# Altium PCB RFAutoMaTE ASCII.PcbDoc (part 2 of 2)
Units mm, origin at the board's own origin, x right, y up, seen from the top; angles counter-clockwise.
Board outline 96.9 x 242.82 mm, 2 copper layers (Top Layer, Bottom Layer); 213 components, 21 nets, 545 pads, 10 vias.
Unrouted connection lines stored in the file: 16.
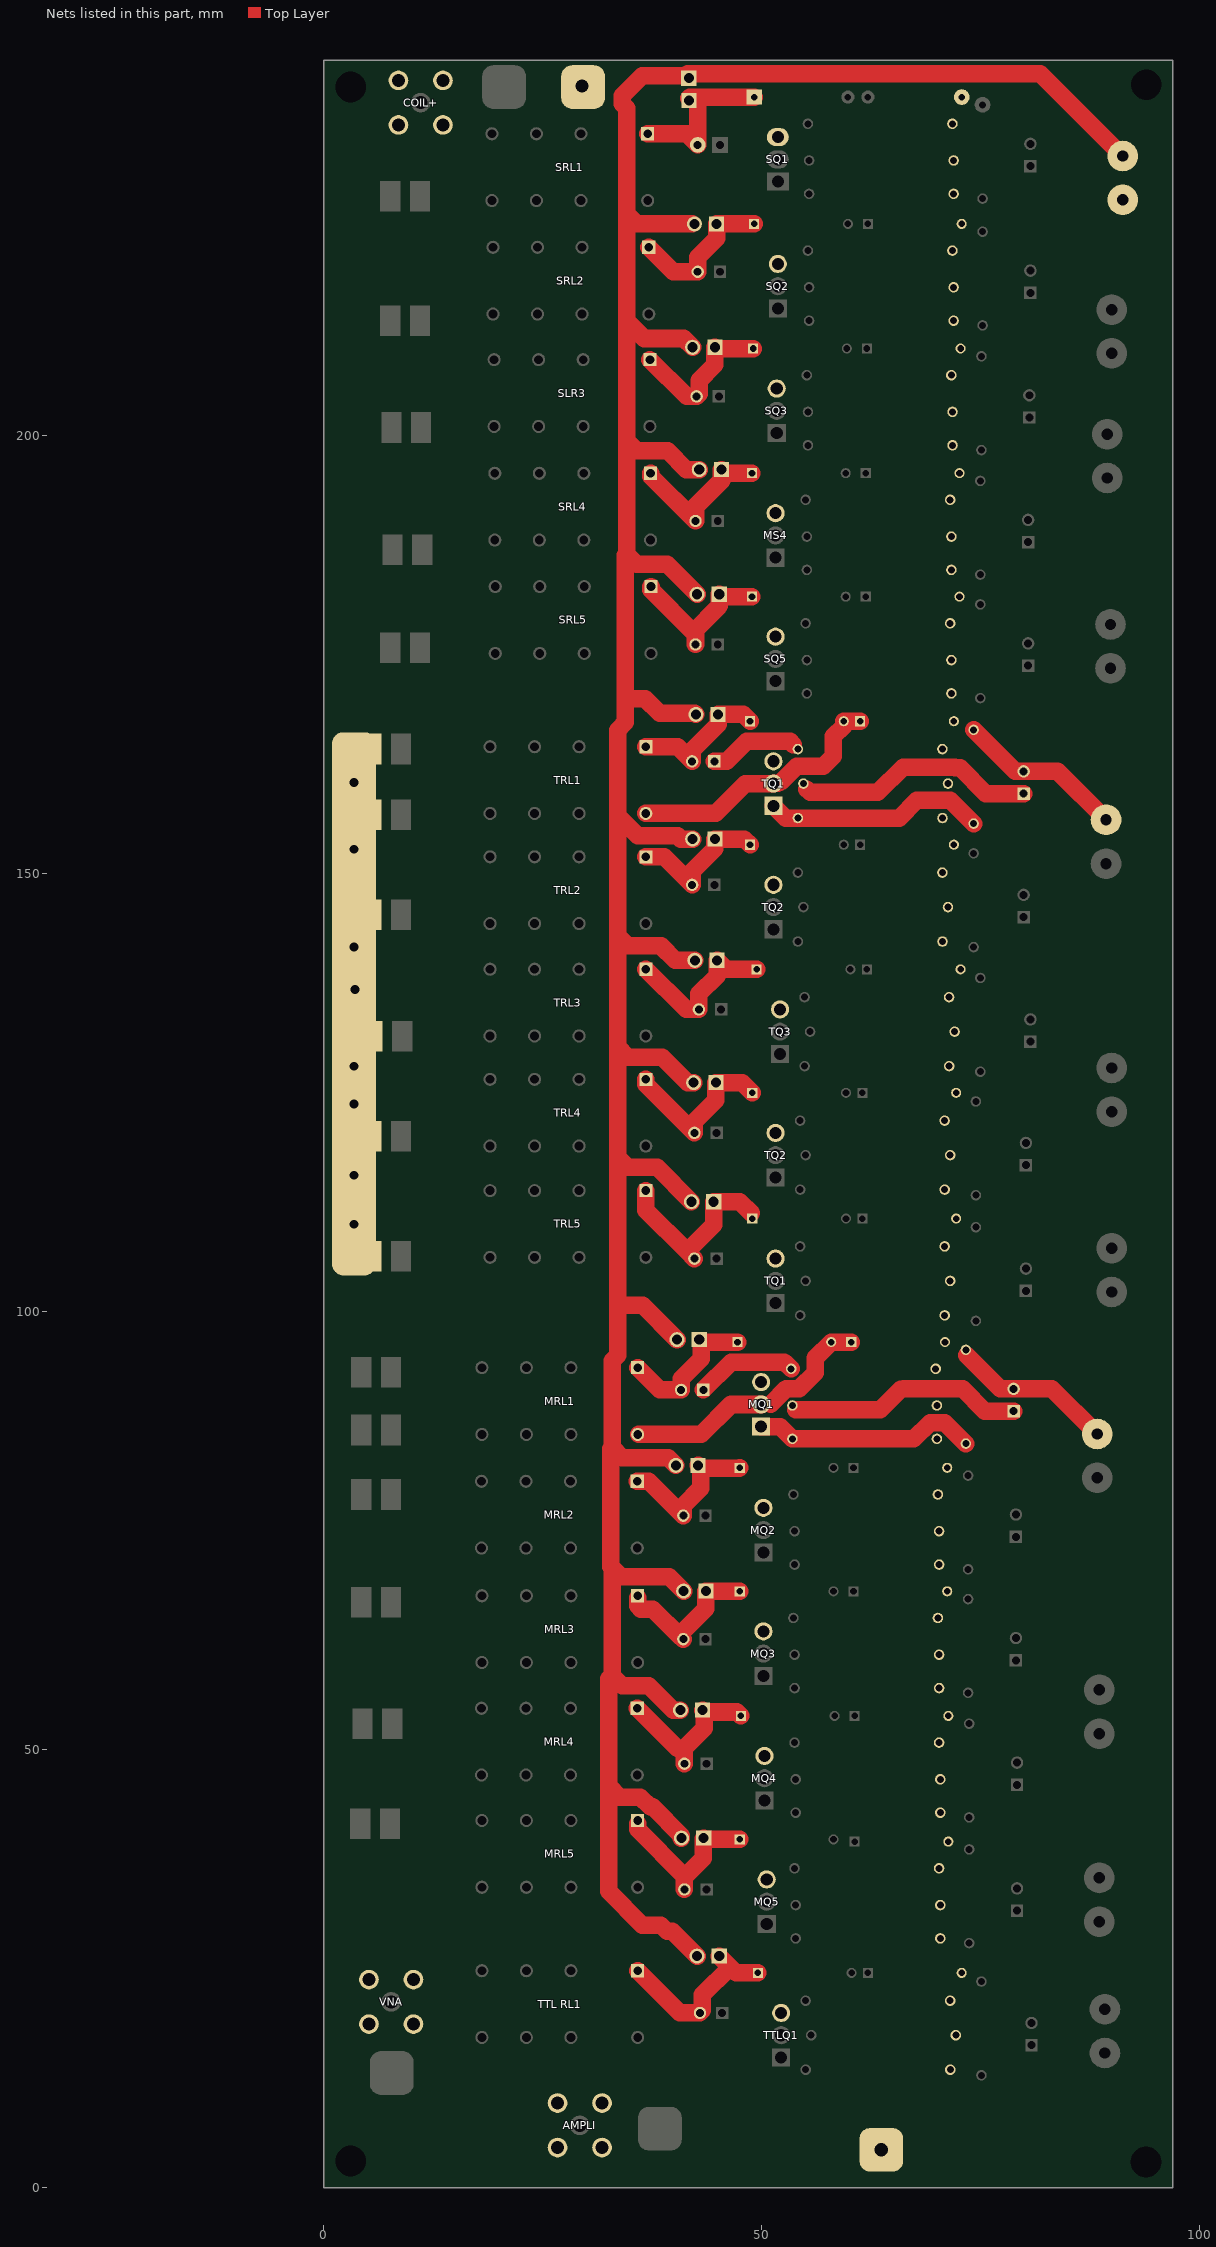
[diagram p2: the nets of this part, all layers, seen from the top]

## Via types
v1: diameter 1.27, hole 1, Top Layer to Bottom Layer, 8 vias
v2: diameter 4, hole 1.5, Top Layer to Bottom Layer, 2 vias

## Nets (pads, with @x,y where several pads share a name; then routed paths per layer and width w, separated by ;. In a path a pad name is that pad's centre, name@x,y a point inside that pad or via, vN(x,y) a via of type N, cw(c..) or ccw(c..) an arc to the next point about the centre after c; other vN are vias at no path point)
3,3V: 1.1 1.2 2.1 2.2 3.1 3.2 4.1 4.2 5.1 5.2 6.1 6.2 7.1 7.2 8.1 8.2 9.1 9.2 10.1 10.2 11.1 11.2 12.1 12.2 13.1 13.2 13_1.1 13_1.2 "TTL RL1.1" DM1.1 DM2.1 DM3.1 DM4.1 DM5.1 DS1.1 DS2.1 DS3.1 DS4.1 DS5.1 DT1.1 DT2.1 DT3.1 DT4.1 DT5.1 DTTL5.1 J2.1@41.656,240.792 J2.1@44.831,224.155 J2.2@41.656,238.252 J2.2@42.291,224.155 MRL1.1@35.814,93.599 MRL1.2 MRL2.1@35.768,80.628 MRL2.2 MRL3.1@35.814,67.564 MRL3.2 MRL4.1@35.768,54.72 MRL4.2 MRL5.1@35.814,41.91 MRL5.2 SLR3.1 SRL1.1@36.957,234.442 SRL1.2 SRL2.1@37.084,221.488 SRL2.2 SRL3.2 SRL4.1@37.292,195.69 SRL4.2 SRL5.1@37.338,182.753 SRL5.2 supply.2 TRL1.1@36.749,164.482 TRL1.2 TRL2.1@36.749,151.909 TRL2.2 TRL3.1@36.749,139.082 TRL3.2 TRL4.1@36.749,126.509 TRL4.2 TRL5.1@36.749,113.809 TRL5.2 TTLRL1.2 | length 709.4
  Top Layer w2: MRL4.1@35.768,54.72 40.323,50.165 41.148,50.165 ; MRL2.1@35.768,80.628 37.101,80.628 MRL2.2@41.021,76.708 41.021,77.851 42.989,79.819 5.1@42.989,82.14 ; 35.814,24.765 40.64,19.939 TTLRL1.2@42.926,19.939 43.212,20.225 43.212,22.003 46.387,25.178 ; MRL5.1@35.814,41.529 35.814,40.894 41.148,35.56 41.148,35.433 ; MRL3.1@35.814,67.31 35.814,66.421 36.195,66.04 37.529,66.04 40.703,62.865 40.767,62.865 MRL3.2@41.021,62.611 ; MRL1.1@35.814,93.599 38.354,91.059 MRL1.2@40.767,91.059 40.767,92.329 43.053,94.615 43.053,96.583 43.116,96.52 DM1.1@47.212,96.52 ; TRL5.1@36.749,113.809 36.749,111.587 41.465,106.87 ; TRL4.1@36.749,126.509 36.749,125.938 TRL4.2@42.291,120.396 42.291,121.666 44.75,124.125 12.1@44.75,126.128 47.735,126.128 DT4.1@48.895,124.968 ; TRL3.1@36.749,139.082 41.338,134.493 TRL3.2@42.799,134.493 42.799,136.256 44.877,138.335 11.1@44.877,140.098 45.91,139.065 DT3.1@49.403,139.065 ; TRL2.1@36.749,151.909 38.845,151.909 TRL2.2@42.037,148.717 42.037,150.241 44.623,152.827 10.1@44.623,153.941 47.989,153.941 DT2.1@48.641,153.289 ; TRL1.1@36.749,164.482 40.369,164.482 TRL1.2@42.037,162.814 42.037,164.084 45.004,167.051 9.1@45.004,168.165 47.862,168.165 DT1.1@48.641,167.386 ; SRL1.1@36.957,234.442 41.402,234.442 SRL1.2@42.672,233.172 42.672,238.379 ; SRL2.1@37.084,221.488 39.878,218.694 SRL2.2@42.672,218.694 42.672,220.345 44.831,222.504 J2.1@44.831,224.155 ; SLR3.1@37.211,208.661 41.402,204.47 SRL3.2@42.545,204.47 42.831,204.756 42.831,206.28 44.623,208.072 4.1@44.623,210.075 44.767,209.931 DS3.1@48.99,209.931 ; SRL4.1@37.292,195.69 37.292,195.372 SRL4.2@42.418,190.246 42.418,191.897 45.385,194.864 1.1@45.385,196.105 45.783,195.707 DS4.1@48.863,195.707 ; SRL5.1@37.338,182.753 37.338,182.372 42.15,177.561 ; 5.2@40.178,82.44 39.306,83.312 34.065,83.312 32.893,84.484 ; 3.2@40.305,96.791 36.385,100.711 33.528,100.711 ; 7.2@40.686,54.5 39.861,54.5 37.084,57.277 34.065,57.277 32.893,58.449 ; 8.2@40.813,39.895 40.813,40.177 37.525,43.466 37.248,43.466 36.137,44.577 33.782,44.577 32.512,45.847 ; 41.021,63.5 43.607,66.086 6.1@43.607,68.089 43.624,68.072 DM3.1@47.466,68.072 ; 6.2@41.067,68.089 39.433,69.723 33.938,69.723 32.893,70.768 ; MRL5.2@41.148,34.036 41.148,35.433 ; MRL4.2@41.148,48.387 41.148,50.165 ; J2.1@41.529,241.3 41.656,241.3 81.788,241.3 supply.2@91.186,231.902 ; J2.2@41.656,238.506 41.783,238.633 DS1.1@49.117,238.633 ; J2.1@41.656,241.046 36.322,241.046 34.036,238.76 34.036,237.871 34.544,237.363 34.544,225.327 ; 13.2@41.956,112.539 38.036,116.459 34.7,116.459 33.528,117.631 ; J2.2@42.037,224.155 35.716,224.155 34.544,225.327 ; 10.2@42.083,153.941 40.75,153.941 40.386,154.305 35.814,154.305 33.528,156.591 ; 4.2@42.083,210.075 41.084,211.074 36.563,211.074 34.544,213.093 ; 12.2@42.21,126.128 41.512,126.128 38.608,129.032 34.7,129.032 33.528,130.204 ; TRL5.2@42.291,106.045 41.465,106.87 ; 11.2@42.337,140.098 40.115,140.098 38.481,141.732 34.7,141.732 33.528,142.904 ; SRL5.2@42.418,176.149 42.418,177.292 42.15,177.561 ; 9.2@42.464,168.165 42.354,168.275 38.354,168.275 36.703,169.926 34.417,169.926 ; 13_1.2@42.591,26.433 39.782,29.242 39.198,29.242 38.468,29.972 36.352,29.972 32.512,33.812 32.512,45.847 ; 2.2@42.591,181.881 39.179,185.293 35.716,185.293 34.544,186.465 ; 5.1@42.718,82.44 42.989,82.169 5.1@42.989,82.14 ; 1.2@42.845,196.105 41.385,196.105 39.243,198.247 35.716,198.247 34.544,199.419 ; 5.1@42.854,82.14 5.1@42.989,82.14 ; 7.1@43.226,54.5 7.1@43.434,54.292 ; J2.1@45.085,224.155 DS2.1@49.117,224.155 ; 13_1.1@45.131,26.433 46.387,25.178 ; DM5.1@47.466,39.751 43.497,39.751 8.1@43.353,39.895 43.307,39.849 43.307,37.592 41.148,35.433 ; DM2.1@47.466,82.169 47.437,82.14 5.1@42.989,82.14 ; DM4.1@47.593,53.848 47.149,54.292 7.1@43.434,54.292 ; 48.768,111.252 47.481,112.539 13.1@44.496,112.539 44.496,109.901 41.465,106.87 ; DS5.1@48.863,181.61 45.402,181.61 2.1@45.131,181.881 45.131,180.542 42.149,177.56 ; DTTL5.1@49.53,24.511 47.053,24.511 46.387,25.178 ; 32.512,45.847 32.512,58.068 32.893,58.449 ; 32.893,58.449 32.893,70.768 ; 32.893,70.768 32.766,70.895 32.766,84.357 32.893,84.484 ; 32.893,84.484 32.893,94.361 33.528,94.996 33.528,100.711 ; 33.528,100.711 33.528,117.631 ; 33.528,117.631 33.528,130.204 ; 33.528,130.204 33.528,142.904 ; 33.528,142.904 33.528,156.591 ; 33.528,156.591 33.528,166.37 34.417,167.259 34.417,169.926 ; 34.417,169.926 34.417,186.338 34.544,186.465 ; 34.544,186.465 34.544,199.419 ; 34.544,199.419 34.544,213.093 ; 34.544,213.093 34.544,225.327 ; 41.148,50.165 43.434,52.451 7.1@43.434,54.292
+COIL: 
Ampli: 
DC-GND: 
GND: 1K2M.2 1K2S.2 1k2T.2 1k2TTL.2 1k5M.2 1k5S.2 1k5T.2 1k5TTL.2 AMPLI.2 AMPLI.3 AMPLI.4 AMPLI.5 COIL+.2 COIL+.3 COIL+.4 COIL+.5 CT1.1 CT2.1 CT3.1 CT4.1 CT5.1 DMQ1.2 DMQ1_1.2 DMQ1_1_1.2 DMQ1_1_1_1.2 DMQ1_1_1_2.2 DSQ1.2 DSQ2.2 DSQ3.2 DSQ4.2 DSQ5.2 DTQ1.2 DTQ2.2 DTQ3.2 DTQ5.2 DTTLQ1.2 J2.1@5.412,164.211 M100K.1 MQ1.3 MQ2.3 MQ3.3 MQ4.3 MQ5.3 MS4.3 pad.8 S100K.1 SQ1.3 SQ2.3 SQ3.3 SQ5.3 supply.1 T17.1 T18.1 T19.1 T100K.1 TQ1.3 TQ2.3 TQ3.3 TTL100K.1 TTLQ1.3 VNA.2 VNA.3 VNA.4 VNA.5
  other v1: 3.429,109.982 3.429,115.57 3.429,123.698 3.429,128.016 3.556,136.779 3.429,141.605 3.429,152.781 3.429,160.401
  other v2: 63.627,4.318 29.464,239.903
MQ1D: DM1.2 DMQ1.1 MQ1.2 MRL1.16 | length 28.5
  Top Layer w2: MRL1.16@35.941,85.979 43.053,85.979 46.469,89.395 49.898,89.395 MQ1.2@49.911,89.408 ; 50.995,89.421 52.792,91.218 54.274,91.218 56.093,93.037 56.093,94.701 DM1.2@57.912,96.52 DMQ1.1@60.198,96.52
Net1K2M_1: 1K2M.1@53.34,93.472 MRL1.1@43.307,91.059 | length 11.7
  Top Layer w2: MRL1.1@43.307,91.059 46.485,94.237 52.575,94.237 1K2M.1@53.34,93.472
Net1k2T_1: 1k2T.1@54.102,164.211 TRL1.1@44.577,162.814 | length 10.1
  Top Layer w2: TRL1.1@44.577,162.814 45.974,162.814 48.263,165.103 53.21,165.103 53.594,164.719
Net1k5M_1: 1k5M.1@53.477,89.281 PWM.1@78.74,88.646 | length 26.6
  Top Layer w2: 53.848,88.773 63.5,88.773 65.862,91.135 ; 66.167,91.186 72.898,91.186 75.438,88.646 PWM.1@78.74,88.646
Net1k5T_1: 1k5T.1@54.737,160.274 PWM.1@79.883,159.131 | length 27.4
  Top Layer w2: 55.118,159.639 55.499,159.258 63.246,159.258 66.116,162.128 72.005,162.128 72.081,162.052 72.644,162.052 75.565,159.131 PWM.1@79.883,159.131
Net4K7M_1: 4K7M.1@73.279,84.931 M100K.2@53.477,85.471 MQ1.1 | length 25.7
  Top Layer w2: MQ1.1@49.911,86.868 49.946,86.833 52.115,86.833 M100K.2@53.477,85.471 67.355,85.471 69.209,87.325 70.885,87.325 4K7M.1@73.279,84.931
Net4K7T_1: 4K7L.1@74.168,155.702 T100K.2@54.112,156.337 TQ1.1@51.308,157.734 | length 25.4
  Top Layer w2: TQ1.1@51.308,157.734 52.705,156.337 T100K.2@54.112,156.337 65.659,156.337 67.691,158.369 71.501,158.369 4K7L.1@74.168,155.702
Net?_1: 
Net?_2: 
NetCM1_2: 
NetCM?_2: 
NetCT1_2: 
NetCT?_2: 
PWMMQ1: 4K7M.2@73.279,95.631 "PWM M1 M2.2" PWM.2@78.74,91.186 | length 18.6
  Top Layer w2: 73.406,94.996 77.216,91.186 PWM.2@78.74,91.186 83.105,91.186 88.265,86.026
PWMTQ1: 4K7L.2@74.168,166.402 "PWM T1 T2.2" PWM.2@79.883,161.671 | length 19.4
  Top Layer w2: 4K7L.2@74.168,166.402 78.899,161.671 PWM.2@79.883,161.671 83.74,161.671 89.281,156.13
TQ1D: DT1.2 DTQ1.1 TQ1.2@51.308,160.274 TRL1.16 | length 30.4
  Top Layer w2: TRL1.16@36.749,156.862 44.721,156.862 48.12,160.261 51.295,160.261 51.321,160.287 51.829,160.287 cw(c53.008,158.672) 52.256,160.525 53.969,162.238 56.994,162.238 57.58,162.824 58.166,163.41 58.166,165.653 59.341,166.828 DT1.2@59.341,167.386 DTQ1.1@61.214,167.386
pads on no net: 1K2M.1@53.594,65.024 1K2M.1@53.594,79.121 1K2M.1@53.721,36.449 1K2M.1@53.721,50.8 1K2S.1 1k2T.1@54.102,150.114 1k2T.1@54.356,107.442 1k2T.1@54.356,121.793 1k2T.1@54.864,135.89 1k2TTL.1 1k5M.1@53.731,60.833 1k5M.1@53.731,74.93 1k5M.1@53.858,32.258 1k5M.1@53.858,46.609 1k5S.1 1k5T.1@54.737,146.177 1k5T.1@54.991,103.505 1k5T.1@54.991,117.856 1k5T.1@55.499,131.953 1k5TTL.1 4K7L.1@74.93,127.381 4K7L.1@74.168,141.605 4K7L.1@74.422,98.933 4K7L.1@74.422,113.284 4K7L.1@75.057,12.827 4K7L.2@74.93,138.081 4K7L.2@74.168,152.305 4K7L.2@74.422,109.633 4K7L.2@74.422,123.984 4K7L.2@75.057,23.527 4K7M.1@73.66,27.908 4K7M.1@73.66,42.259 4K7M.1@73.533,56.483 4K7M.1@73.533,70.58 4K7M.2@73.66,38.608 4K7M.2@73.66,52.959 4K7M.2@73.533,67.183 4K7M.2@73.533,81.28 4K7S.1 4K7S.2 "PWM M1 M2.1" "PWM M3 M4.1" "PWM M3 M4.2" "PWM M5.1" "PWM M5.2" "PWM S1 S2.1" "PWM S1 S2.2" "PWM S3 S4.1" "PWM S3 S4.2" "PWM T1 M2.1" "PWM T1 M2.2" "PWM T1 T2.1" "PWM T3 T4.1" "PWM T3 T4.2" "PWM T5.1" "PWM T5.2" "PWM TTL.1" "PWM TTL.2" "TTL RL1.4" "TTL RL1.6" "TTL RL1.8" "TTL RL1.9" "TTL RL1.11" "TTL RL1.13" "TTL RL1.16" AMPLI.1 CM1.1 CM1.2 CM2.1 CM2.2 CM3.1 CM3.2 CM4.1 CM4.2 CM5.1 CM5.2 COIL+.1 CS1.1 CS1.2 CS2.1 CS2.2 CS3.1 CS3.2 CS4.1 CS4.2 CS5.1 CS5.2 CT1.2 CT2.2 CT3.2 CT4.2 CT5.2 DM2.2 DM3.2 DM4.2 DM5.2 DMQ1_1.1 DMQ1_1_1.1 DMQ1_1_1_1.1 DMQ1_1_1_2.1 DS1.2 DS2.2 DS3.2 DS4.2 DS5.2 DSQ1.1 DSQ2.1 DSQ3.1 DSQ4.1 DSQ5.1 DT2.2 DT3.2 DT4.2 DT5.2 DTQ2.1 DTQ3.1 DTQ5.1 DTTL5.2 DTTLQ1.1 J2.1@4.269,93.091 J2.2@7.669,93.091 J2.2@8.812,164.211 M100K.2@53.731,57.023 M100K.2@53.731,71.12 M100K.2@53.858,28.448 M100K.2@53.858,42.799 MQ2.1 MQ2.2 MQ3.1 MQ3.2 MQ4.1 MQ4.2 MQ5.1 MQ5.2 MRL1.4 MRL1.6 MRL1.8 MRL1.9 MRL1.11 MRL1.13 MRL2.1@43.561,76.708 MRL2.4 MRL2.6 MRL2.8 MRL2.9 MRL2.11 MRL2.13 MRL2.16 MRL3.1@43.561,62.611 MRL3.4 MRL3.6 MRL3.8 MRL3.9 MRL3.11 MRL3.13 MRL3.16 MRL4.1@43.688,48.387 MRL4.4 MRL4.6 MRL4.8 MRL4.9 MRL4.11 MRL4.13 MRL4.16 MRL5.1@43.688,34.036 MRL5.4 MRL5.6 MRL5.8 MRL5.9 MRL5.11 MRL5.13 MRL5.16 MS4.1 MS4.2 PWM.1@78.994,60.198 PWM.1@78.994,74.295 PWM.1@79.121,31.623 PWM.1@79.121,45.974 PWM.1@79.883,145.034 PWM.1@80.137,102.362 PWM.1@80.137,116.713 PWM.1@80.391,173.736 PWM.1@80.391,187.833 PWM.1@80.518,202.057 PWM.1@80.645,130.81 PWM.1@80.645,216.281 PWM.1@80.645,230.759 PWM.1@80.772,16.256 PWM.2@78.994,62.738 PWM.2@78.994,76.835 PWM.2@79.121,34.163 PWM.2@79.121,48.514 PWM.2@79.883,147.574 PWM.2@80.137,104.902 PWM.2@80.137,119.253 PWM.2@80.391,176.276 PWM.2@80.391,190.373 PWM.2@80.518,204.597 PWM.2@80.645,133.35 PWM.2@80.645,218.821 PWM.2@80.645,233.299 PWM.2@80.772,18.796 S100K.2 SLR3.4 SLR3.6 SLR3.8 SLR3.9 SLR3.11 SLR3.13 SLR3.16 SQ1.1 SQ1.2 SQ2.1 SQ2.2 SQ3.1 SQ3.2 SQ5.1 SQ5.2 SRL1.1@45.212,233.172 SRL1.4 SRL1.6 SRL1.8 SRL1.9 SRL1.11 SRL1.13 SRL1.16 SRL2.1@45.212,218.694 SRL2.4 SRL2.6 SRL2.8 SRL2.9 SRL2.11 SRL2.13 SRL2.16 SRL3.1 SRL4.1@44.958,190.246 SRL4.4 SRL4.6 SRL4.8 SRL4.9 SRL4.11 SRL4.13 SRL4.16 SRL5.1@44.958,176.149 SRL5.4 SRL5.6 SRL5.8 SRL5.9 SRL5.11 SRL5.13 SRL5.16 T14.1 T15.1 T16.1 T100K.2@54.112,142.24 T100K.2@54.366,99.568 T100K.2@54.366,113.919 T100K.2@54.874,128.016 TQ1.1@51.562,100.965 TQ1.2@51.562,103.505 TQ2.1 TQ2.2 TQ3.1 TQ3.2 TRL1.4 TRL1.6 TRL1.8 TRL1.9 TRL1.11 TRL1.13 TRL2.1@44.577,148.717 TRL2.4 TRL2.6 TRL2.8 TRL2.9 TRL2.11 TRL2.13 TRL2.16 TRL3.1@45.339,134.493 TRL3.4 TRL3.6 TRL3.8 TRL3.9 TRL3.11 TRL3.13 TRL3.16 TRL4.1@44.831,120.396 TRL4.4 TRL4.6 TRL4.8 TRL4.9 TRL4.11 TRL4.13 TRL4.16 TRL5.1@44.831,106.045 TRL5.4 TRL5.6 TRL5.8 TRL5.9 TRL5.11 TRL5.13 TRL5.16 TTL100K.2 TTLQ1.1 TTLQ1.2 TTLRL1.1 VNA.1
copper on no net: | length 2415
  Top Layer w2: 5.715,229.797 5.715,235.712 5.715,236.779 6.887,237.95 11.001,237.95 ; 6.096,15.113 5.234,15.975 3.204,15.975 2.032,17.146 2.032,22.381 2.159,22.508 ; 7.366,21.336 3.331,21.336 2.159,22.508 ; 7.683,14.605 7.683,15.113 7.683,21.205 ; 8.636,15.113 16.002,15.113 18.034,17.145 ; 10.992,232.156 10.992,237.764 11.001,237.773 11.001,237.95 ; 12.192,232.156 14.957,232.156 16.129,233.328 16.129,236.826 14.957,237.998 11.049,237.998 11.001,237.95 ; 15.543,237.412 17.201,239.07 19.868,239.07 20.574,239.776 ; 16.319,25.209 15.113,26.416 8.855,26.416 ; 16.764,21.205 7.683,21.205 ; 23.114,8.636 23.114,2.442 24.286,1.27 30.255,1.27 30.382,1.397 ; 23.114,24.638 23.114,8.382 24.257,7.239 24.384,7.112 29.21,7.112 ; 23.622,13.589 28.038,13.589 29.21,12.417 29.21,7.112 ; 27.686,13.589 34.036,13.589 34.671,12.954 34.671,9.089 34.6,9.018 34.6,8.157 33.428,6.985 29.405,6.985 29.278,7.112 29.21,7.112 ; 34.644,8.636 34.644,1.624 34.417,1.397 30.382,1.397 ; 35.768,47.1 36.801,47.1 38.181,45.72 45.847,45.72 46.85,46.723 50.279,46.723 50.292,46.736 ; 35.768,73.008 44.64,73.008 ; 35.814,59.944 37.973,59.944 39.006,58.911 44.64,58.911 ; 36.068,34.163 37.465,34.163 40.132,31.496 45.928,31.496 46.944,32.512 50.8,32.512 ; 36.195,17.018 37.338,15.875 47.117,15.875 47.371,16.129 48.628,17.386 49.009,17.386 52.184,17.386 52.197,17.399 52.21,17.412 53.017,17.412 55.036,19.431 56.712,19.431 60.23,22.949 60.23,24.511 62.103,24.511 ; 36.749,106.189 38.337,106.189 41.148,103.378 47.879,103.378 47.993,103.492 51.549,103.492 51.562,103.505 51.575,103.518 52.382,103.518 54.401,105.537 57.658,105.537 ; 36.749,118.889 38.845,118.889 38.862,118.872 40.894,116.84 46.482,116.84 47.485,117.843 48.374,117.843 51.549,117.843 51.562,117.856 51.575,117.869 52.382,117.869 54.223,119.71 54.274,119.761 57.404,119.761 ; 36.749,144.289 37.02,144.018 45.974,144.018 48.12,146.164 51.295,146.164 51.308,146.177 51.321,146.19 52.128,146.19 54.147,148.209 56.515,148.209 59.341,151.035 59.341,153.289 61.214,153.289 ; 36.957,131.572 48.514,131.572 48.882,131.94 52.057,131.94 52.07,131.953 52.083,131.966 52.845,131.966 54.812,133.933 58.931,133.933 60.103,135.105 60.103,139.065 ; 36.957,226.822 43.04,226.822 43.047,226.816 43.682,226.816 48.374,231.508 51.803,231.508 51.816,231.521 ; 37.084,213.741 45.005,213.741 48.293,217.03 51.803,217.03 51.816,217.043 51.829,217.056 52.527,217.056 54.26,218.79 ; 37.26,188.038 37.592,187.706 45.607,187.706 46.369,188.468 47.625,188.468 47.739,188.582 51.549,188.582 ; 37.338,175.133 39.215,175.133 42.39,171.958 44.45,171.958 45.593,171.958 48.12,174.485 51.549,174.485 51.562,174.498 51.575,174.511 52.273,174.511 54.133,176.372 ; 37.465,200.914 43.434,200.914 45.974,200.914 46.355,200.914 48.26,202.819 49.623,202.819 ; 43.561,62.611 44.958,62.611 48.136,65.789 52.829,65.789 53.594,65.024 ; 43.561,76.708 46.739,79.886 52.829,79.886 53.594,79.121 ; 43.688,34.036 45.593,34.036 50.035,38.478 51.692,38.478 53.276,36.893 ; 43.688,48.387 45.085,48.387 48.263,51.565 52.956,51.565 53.721,50.8 ; 44.577,148.717 45.974,148.717 48.263,151.006 53.21,151.006 53.594,150.622 ; 44.64,58.864 46.723,60.947 50.152,60.947 50.165,60.96 ; 44.64,72.962 46.723,75.044 50.152,75.044 50.165,75.057 ; 44.831,106.045 46.228,106.045 48.517,108.334 53.464,108.334 53.848,107.95 ; 44.831,120.396 46.228,120.396 48.517,122.685 53.464,122.685 53.848,122.301 ; 44.958,176.149 48.136,179.327 54.226,179.327 54.991,178.562 ; 44.958,190.246 48.136,193.424 54.226,193.424 54.991,192.659 ; 45.085,204.47 48.263,207.648 54.353,207.648 55.118,206.883 ; 45.212,218.694 48.39,221.872 54.48,221.872 55.245,221.107 ; 45.212,233.172 48.39,236.35 54.48,236.35 55.245,235.585 ; 45.339,134.493 46.736,134.493 49.025,136.782 53.972,136.782 54.356,136.398 ; 45.466,19.939 46.863,19.939 49.152,22.228 54.099,22.228 54.483,21.844 ; 49.911,202.819 51.689,202.819 ; 50.165,58.42 50.2,58.385 52.369,58.385 53.731,57.023 67.609,57.023 69.463,58.877 71.139,58.877 73.533,56.483 ; 50.165,72.517 50.2,72.482 52.369,72.482 53.731,71.12 67.609,71.12 69.463,72.974 71.139,72.974 73.533,70.58 ; 50.292,44.196 50.327,44.161 52.496,44.161 53.858,42.799 67.736,42.799 69.59,44.653 71.266,44.653 73.66,42.259 ; 50.578,32.639 50.578,32.652 51.257,32.652 52.894,34.29 56.486,34.29 57.658,35.462 57.658,39.243 ; 50.8,30.099 51.692,30.099 53.343,28.448 53.858,28.448 67.736,28.448 69.59,30.302 71.266,30.302 73.66,27.908 ; 51.249,60.973 53.046,62.77 54.528,62.77 56.347,64.589 56.347,66.253 58.166,68.072 60.452,68.072 ; 51.249,75.07 53.046,76.867 54.528,76.867 56.347,78.686 56.347,80.35 58.166,82.169 60.452,82.169 ; 51.308,143.637 52.705,142.24 54.112,142.24 65.659,142.24 67.691,144.272 71.501,144.272 74.168,141.605 ; 51.376,46.749 53.173,48.546 54.655,48.546 56.474,50.365 56.474,52.029 58.293,53.848 60.579,53.848 ; 51.562,100.965 52.959,99.568 54.366,99.568 65.913,99.568 67.945,101.6 71.755,101.6 74.422,98.933 ; 51.562,115.316 52.959,113.919 54.366,113.919 65.913,113.919 67.945,115.951 71.755,115.951 74.422,113.284 ; 51.562,171.958 51.597,171.923 53.766,171.923 55.128,170.561 69.006,170.561 70.86,172.415 72.536,172.415 74.93,170.021 ; 51.562,186.055 51.597,186.02 53.766,186.02 55.128,184.658 69.006,184.658 70.86,186.512 72.536,186.512 74.93,184.118 ; 51.676,202.806 51.689,202.819 ; 51.689,200.279 51.724,200.244 53.893,200.244 55.255,198.882 69.133,198.882 70.987,200.736 72.663,200.736 75.057,198.342 ; 51.816,214.503 51.851,214.468 54.02,214.468 55.382,213.106 69.26,213.106 71.114,214.96 72.79,214.96 75.184,212.566 ; 51.816,228.981 51.851,228.946 54.02,228.946 55.382,227.584 69.26,227.584 71.114,229.438 72.79,229.438 75.184,227.044 ; 52.07,129.413 53.467,128.016 54.874,128.016 66.421,128.016 68.453,130.048 72.263,130.048 74.93,127.381 ; 52.197,14.859 53.594,13.462 55.001,13.462 66.548,13.462 68.58,15.494 72.39,15.494 75.057,12.827 ; 52.724,202.946 51.816,202.946 51.689,202.819 ; 52.886,231.575 54.642,233.331 56.179,233.331 57.998,235.15 57.998,236.814 59.817,238.633 62.103,238.633 ; 53.53,203.772 54.388,204.629 56.052,204.629 57.871,206.448 57.871,208.112 59.69,209.931 61.976,209.931 ; 54.102,60.325 63.754,60.325 66.116,62.687 ; 54.102,74.422 63.754,74.422 66.116,76.784 ; 54.229,31.75 63.881,31.75 66.243,34.112 ; 54.229,46.101 63.881,46.101 66.243,48.463 ; 54.229,190.5 56.572,190.5 57.744,191.672 57.744,193.888 59.563,195.707 61.849,195.707 ; 54.443,176.308 55.925,176.308 57.744,178.127 57.744,179.791 59.563,181.61 61.849,181.61 ; 54.697,218.853 56.179,218.853 57.998,220.672 57.998,222.336 59.817,224.155 62.103,224.155 ; 55.118,145.542 55.499,145.161 63.246,145.161 66.116,148.031 72.005,148.031 72.081,147.955 72.644,147.955 75.565,145.034 79.883,145.034 ; 55.372,102.87 55.753,102.489 63.5,102.489 66.37,105.359 72.259,105.359 72.335,105.283 72.898,105.283 75.819,102.362 80.137,102.362 ; 55.372,117.221 55.753,116.84 63.5,116.84 66.37,119.71 72.259,119.71 72.335,119.634 72.898,119.634 75.819,116.713 80.137,116.713 ; 55.499,173.863 65.151,173.863 67.513,176.225 ; 55.499,187.96 65.151,187.96 67.513,190.322 ; 55.626,202.184 65.278,202.184 67.64,204.546 ; 55.753,216.408 65.405,216.408 67.767,218.77 ; 55.753,230.886 65.405,230.886 67.767,233.248 ; 55.88,131.318 56.261,130.937 64.008,130.937 66.878,133.807 72.767,133.807 72.843,133.731 73.406,133.731 76.327,130.81 80.645,130.81 ; 56.007,16.764 56.388,16.383 64.135,16.383 67.005,19.253 72.894,19.253 72.97,19.177 73.533,19.177 76.454,16.256 80.899,16.256 ; 57.618,119.975 59.595,121.952 59.595,124.968 61.468,124.968 ; 57.897,105.649 59.595,107.347 59.595,110.617 61.468,110.617 ; 58.293,39.497 60.579,39.497 ; 60.452,139.065 61.976,139.065 ; 66.421,62.738 73.152,62.738 75.692,60.198 78.994,60.198 ; 66.421,76.835 73.152,76.835 75.692,74.295 78.994,74.295 ; 66.548,34.163 73.279,34.163 75.819,31.623 79.121,31.623 ; 66.548,48.514 73.279,48.514 75.819,45.974 79.121,45.974 ; 67.818,176.276 74.549,176.276 77.089,173.736 80.391,173.736 ; 67.818,190.373 74.549,190.373 77.089,187.833 80.391,187.833 ; 67.945,204.597 74.676,204.597 77.216,202.057 80.518,202.057 ; 68.072,218.821 74.803,218.821 77.343,216.281 80.645,216.281 ; 68.072,233.299 74.803,233.299 77.343,230.759 80.645,230.759 ; 73.66,66.548 77.47,62.738 78.994,62.738 ; 73.66,80.645 77.47,76.835 78.994,76.835 ; 73.787,37.973 77.597,34.163 79.121,34.163 84.836,34.163 86.026,35.353 88.519,35.353 ; 73.787,52.324 77.597,48.514 79.121,48.514 81.534,48.514 84.836,51.816 88.519,51.816 ; 74.168,152.305 78.899,147.574 79.883,147.574 83.82,147.574 87.376,151.13 89.281,151.13 ; 74.422,109.633 79.153,104.902 80.137,104.902 87.583,104.902 ; 74.422,123.984 79.153,119.253 80.137,119.253 83.566,119.253 87.122,122.809 89.916,122.809 ; 74.93,138.081 79.661,133.35 80.645,133.35 ; 75.057,23.527 79.788,18.796 80.772,18.796 83.185,18.796 ; 75.057,180.086 78.867,176.276 80.391,176.276 87.249,176.276 89.408,178.435 89.789,178.435 ; 75.057,194.183 78.867,190.373 80.391,190.373 83.312,190.373 86.233,193.294 88.091,195.152 89.408,195.152 ; 75.184,208.407 78.994,204.597 80.518,204.597 ; 75.311,222.631 79.121,218.821 80.645,218.821 ; 75.311,237.109 79.121,233.299 80.645,233.299 83.947,233.299 85.344,231.902 85.344,219.329 89.98,214.694 ; 79.248,76.835 84.074,76.835 88.265,81.026 ; 79.375,62.738 82.597,62.738 88.519,56.816 ; 80.899,133.35 84.375,133.35 89.916,127.809 ; 80.899,218.821 80.645,218.821 ; 81.026,204.597 83.82,204.597 88.265,200.152 89.408,200.152 ; 83.566,18.796 84.622,17.74 86.527,17.74 88.9,15.367 89.154,15.367 ; 84.772,34.099 88.519,30.353 ; 86.694,17.907 89.154,20.367 ; 87.178,210.891 87.18,210.889 ; 87.249,175.895 87.329,175.895 89.789,173.435 ; 87.289,104.608 89.662,102.235 89.916,102.235 ; 87.456,104.775 89.916,107.235 ; 90.17,209.296 88.773,209.296 86.233,211.836 85.246,211.836 84.074,213.008 84.074,215.646 83.566,216.154 83.566,217.354 82.423,218.497 81.617,218.497 81.579,218.535 80.931,218.535 80.645,218.821 ; 2.159,22.508 2.159,25.244 3.331,26.416 8.855,26.416 ; 7.683,21.205 7.683,25.244 8.855,26.416 ; 29.21,7.112 29.21,2.569 30.382,1.397 ; 51.549,188.582 51.562,188.595 ; 51.549,188.582 51.562,188.595 ; 51.562,188.595 51.575,188.608 52.273,188.608 ; 51.689,202.819 51.943,202.819 51.689,202.819 ; 52.273,188.608 54.037,190.373 52.273,188.608
  Top Layer w4: 3.429,41.783 3.429,52.959 3.429,66.802 3.429,78.994 3.429,91.567 ; 4.142,41.529 4.142,33.958 7.62,30.48 25.909,30.48 28.252,28.137 28.252,24.823 28.194,24.765 28.448,24.511 28.448,17.907 ; 6.858,176.276 6.731,176.403 6.731,201.041 6.731,213.106 6.731,227.33 6.731,229.178 9.455,231.902 10.865,231.902 ; 8.509,86.614 17.399,86.614 18.034,85.979 ; 8.509,93.345 10.16,93.345 17.018,100.203 27.178,100.203 ; 8.636,41.91 18.034,41.91 18.034,35.179 ; 8.636,66.912 17.382,66.912 18.034,67.564 18.034,59.944 ; 8.636,79.104 16.464,79.104 ; 8.763,53.196 17.607,53.196 17.988,53.577 17.988,47.1 ; 9.652,164.401 9.97,164.401 12.89,164.401 17.145,168.656 26.867,168.656 ; 9.779,106.426 18.334,106.426 18.969,107.061 18.969,112.903 ; 9.779,120.032 18.969,120.032 18.969,125.366 ; 9.779,131.462 18.969,131.462 18.969,139.082 ; 9.779,145.923 17.335,145.923 ; 9.906,156.862 18.969,156.862 ; 12.319,226.731 12.228,226.822 19.177,226.822 19.685,227.33 19.685,233.934 ; 12.446,213.106 18.542,213.106 19.304,213.868 ; 12.573,175.768 13.208,175.133 19.558,175.133 ; 12.7,201.041 19.431,201.041 19.431,208.661 ; 13.025,186.944 18.386,186.944 19.512,188.07 19.512,194.547 ; 17.145,17.907 17.145,21.205 17.145,24.384 ; 18.034,86.868 18.034,92.456 ; 18.237,73.914 18.237,79.883 ; 18.923,145.542 18.969,145.588 18.969,151.909 ; 18.969,158.005 18.969,163.339 ; 19.131,214.105 19.131,220.582 ; 19.558,176.022 19.558,182.753 ; 22.86,12.446 22.86,24.384 ; 28.321,35.306 28.321,47.1 28.321,59.944 28.321,67.564 28.321,80.628 28.321,92.583 ; 29.083,93.98 29.083,106.143 29.129,106.189 29.083,106.235 29.083,113.763 29.129,113.809 ; 29.129,156.862 29.21,156.943 29.21,164.401 ; 29.129,164.482 29.21,164.563 29.21,174.625 ; 29.21,113.809 29.21,118.889 29.21,126.509 29.21,131.462 29.21,139.082 29.21,151.909 29.21,156.862 ; 29.337,182.753 29.337,188.07 29.337,195.69 29.337,201.041 29.337,208.661 29.337,213.868 29.337,226.822 29.337,234.442 ; 29.4,175.451 29.4,182.435 ; 35.687,6.731 38.227,6.731

## Polygon pours and split planes (outlines as drawn)
GND on Bottom Layer "GND_L02_P000" (solid, remove dead copper, pour order 0): 0,242.824 96.901,242.824 96.901,0 0,0 0,242.824

## Silkscreen, mask and mechanical layers (free items; w line width, h text height)
Top Overlay:
  lines w0.254: 50.66,96.52 50.673,96.52 51.435,95.758 51.435,97.295 ; 50.787,54.61 50.8,54.61 ; 50.914,68.072 50.927,68.072 51.689,67.31 51.689,68.847 ; 50.914,82.169 50.927,82.169 51.689,81.407 51.689,82.944 ; 51.041,39.497 51.054,39.497 51.816,38.735 51.816,40.272 ; 51.054,53.848 51.816,53.086 51.816,54.623 ; 52.311,181.61 52.324,181.61 53.086,180.848 53.086,182.385 ; 52.311,195.707 52.324,195.707 53.086,194.945 53.086,196.482 ; 52.438,209.931 52.451,209.931 53.213,209.169 53.213,210.706 ; 52.451,153.289 53.213,152.527 53.213,154.064 ; 52.451,167.386 53.213,166.624 53.213,168.161 ; 52.565,224.155 52.578,224.155 53.34,223.393 53.34,224.93 ; 52.565,238.633 52.578,238.633 53.34,237.871 53.34,239.408 ; 52.705,110.617 53.467,109.855 53.467,111.392 ; 52.705,124.968 53.467,124.206 53.467,125.743 ; 53.213,139.065 53.975,138.303 53.975,139.84 ; 53.34,24.511 54.102,23.749 54.102,25.286 ; 63.646,96.52 63.646,96.501 64.389,95.758 64.389,97.263 ; 63.773,54.591 63.773,54.61 ; 63.9,68.072 63.9,68.053 64.643,67.31 64.643,68.815 ; 63.9,82.169 63.9,82.15 64.643,81.407 64.643,82.912 ; 64.027,39.497 64.027,39.478 64.77,38.735 64.77,40.24 ; 64.027,53.829 64.77,53.086 64.77,54.591 ; 64.884,153.289 65.604,152.569 65.604,153.924 ; 64.884,167.386 65.604,166.666 65.604,168.021 ; 65.138,110.617 65.858,109.897 65.858,111.252 ; 65.138,124.968 65.858,124.248 65.858,125.603 ; 65.297,181.61 65.297,181.591 66.04,180.848 66.04,182.353 ; 65.297,195.707 65.297,195.688 66.04,194.945 66.04,196.45 ; 65.424,209.931 65.424,209.912 66.167,209.169 66.167,210.674 ; 65.551,224.155 65.551,224.136 66.294,223.393 66.294,224.898 ; 65.551,238.633 65.551,238.614 66.294,237.871 66.294,239.376 ; 65.646,139.065 66.366,138.345 66.366,139.7 ; 65.773,24.511 66.493,23.791 66.493,25.146 ; 0,0 0,242.706 96.783,242.706 96.901,242.589 96.901,0 0,0
  text "GND" at 26.416,237.363 h1.52 r90
  text "S1" at 79.502,236.347 h1.52
  text "5V" at 84.582,236.22 h1.52
  text "S2" at 77.978,222.123 h1.52
  text "GND" at 92.456,220.98 h1.52
  text "PWM" at 86.106,218.567 h1.52
  text "S1" at 96.139,214.376 h1.52 r90
  text "S3" at 78.867,208.153 h1.52
  text "S2" at 96.266,207.137 h1.52 r90
  text "S3" at 96.012,199.136 h1.52 r90
  text "S4" at 78.994,193.421 h1.52
  text "S4" at 96.012,193.167 h1.52 r90
  text "PWM" at 88.138,189.103 h1.52
  text "PWM" at 88.9,181.864 h1.52
  text "S5" at 78.867,179.832 h1.52
  text "S5" at 95.885,175.006 h1.52 r90
  text "CT FIX" at 17.907,168.275 h1.52
  text "RF GND" at 2.612,166.711 h2.5 r90
  text "T1" at 78.867,164.973 h1.52
  text "PWM" at 88.773,159.893 h1.52
  text "T1" at 95.631,155.448 h1.52 r90
  text "T2" at 78.232,150.876 h1.52
  text "T2" at 95.631,149.987 h1.52 r90
  text "T3" at 78.232,137.16 h1.52
  text "PWM" at 89.408,132.207 h1.52
  text "T3" at 96.139,127.635 h1.52 r90
  text "T4" at 78.359,122.809 h1.52
  text "T4" at 96.139,121.412 h1.52 r90
  text "-" at 54.499,111.319 h1.52
  text "PWM" at 88.519,110.617 h1.52
  text "T5" at 77.724,108.712 h1.52
  text "T5" at 96.139,103.759 h1.52 r90
  text "CM FIX" at 1.905,96.266 h1.52
  text "M1" at 76.327,94.488 h1.52
  text "PWM" at 87.63,89.789 h1.52
  text "M1" at 94.615,85.725 h1.52 r90
  text "M2" at 76.708,80.772 h1.52
  text "M2" at 94.615,80.01 h1.52 r90
  text "M3" at 76.962,66.04 h1.52
  text "PWM" at 87.757,60.706 h1.52
  text "M3" at 94.488,55.88 h1.52 r90
  text "M4" at 76.962,52.451 h1.52
  text "M4" at 94.615,50.292 h1.52 r90
  text "PWM" at 86.995,38.735 h1.52
  text "M5" at 76.962,37.592 h1.52
  text "M5" at 94.615,32.766 h1.52 r90
  text "TTL" at 86.741,23.622 h1.52
  text "TTL" at 78.359,22.606 h1.52
  text "TTL" at 95.631,17.018 h1.52 r90
  text "VNA" at 5.842,8.509 h1.52
  text "AMPLI" at 43.053,3.302 h1.52 r90
  text "GND" at 56.007,2.413 h1.52
Bottom Overlay:
  lines w0.254: 50.66,96.52 50.673,96.52 51.435,95.758 51.435,97.295 ; 50.787,54.61 50.8,54.61 ; 50.914,68.072 50.927,68.072 51.689,67.31 51.689,68.847 ; 50.914,82.169 50.927,82.169 51.689,81.407 51.689,82.944 ; 51.041,39.497 51.054,39.497 51.816,38.735 51.816,40.272 ; 51.054,53.848 51.816,53.086 51.816,54.623 ; 52.311,181.61 52.324,181.61 53.086,180.848 53.086,182.385 ; 52.311,195.707 52.324,195.707 53.086,194.945 53.086,196.482 ; 52.438,209.931 52.451,209.931 53.213,209.169 53.213,210.706 ; 52.451,153.289 53.213,152.527 53.213,154.064 ; 52.451,167.386 53.213,166.624 53.213,168.161 ; 52.565,224.155 52.578,224.155 53.34,223.393 53.34,224.93 ; 52.565,238.633 52.578,238.633 53.34,237.871 53.34,239.408 ; 52.705,110.617 53.467,109.855 53.467,111.392 ; 52.705,124.968 53.467,124.206 53.467,125.743 ; 53.213,139.065 53.975,138.303 53.975,139.84 ; 53.34,24.511 54.102,23.749 54.102,25.286 ; 63.646,96.52 63.646,96.501 64.389,95.758 64.389,97.263 ; 63.773,54.591 63.773,54.61 ; 63.9,68.072 63.9,68.053 64.643,67.31 64.643,68.815 ; 63.9,82.169 63.9,82.15 64.643,81.407 64.643,82.912 ; 64.027,39.497 64.027,39.478 64.77,38.735 64.77,40.24 ; 64.027,53.829 64.77,53.086 64.77,54.591 ; 64.884,153.289 65.604,152.569 65.604,153.924 ; 64.884,167.386 65.604,166.666 65.604,168.021 ; 65.138,110.617 65.858,109.897 65.858,111.252 ; 65.138,124.968 65.858,124.248 65.858,125.603 ; 65.297,181.61 65.297,181.591 66.04,180.848 66.04,182.353 ; 65.297,195.707 65.297,195.688 66.04,194.945 66.04,196.45 ; 65.424,209.931 65.424,209.912 66.167,209.169 66.167,210.674 ; 65.551,224.155 65.551,224.136 66.294,223.393 66.294,224.898 ; 65.551,238.633 65.551,238.614 66.294,237.871 66.294,239.376 ; 65.646,139.065 66.366,138.345 66.366,139.7 ; 65.773,24.511 66.493,23.791 66.493,25.146 ; 0,0 96.901,0 96.901,242.589 96.783,242.706 0,242.706 0,0
  text "GND" at 26.289,241.427 h1.52 r90
  text "S1" at 81.533,236.347 h1.52
  text "5V" at 87.121,236.22 h1.52
  text "S2" at 80.517,222.123 h1.52
  text "GND" at 96.519,220.98 h1.52
  text "PWM" at 90.169,218.567 h1.52
  text "S1" at 94.615,214.376 h1.52 r270
  text "S3" at 81.406,208.153 h1.52
  text "S2" at 94.742,207.137 h1.52 r270
  text "S3" at 94.488,199.136 h1.52 r270
  text "S4" at 81.533,193.421 h1.52
  text "S4" at 94.488,193.167 h1.52 r270
  text "PWM" at 92.201,189.103 h1.52
  text "PWM" at 92.963,181.864 h1.52
  text "S5" at 81.406,179.832 h1.52
  text "S5" at 94.361,175.006 h1.52 r270
  text "CT FIX" at 26.286,168.275 h1.52
  text "T1" at 80.898,164.973 h1.52
  text "PWM" at 92.836,159.893 h1.52
  text "T1" at 94.107,155.448 h1.52 r270
  text "RF GND" at 10.414,151.257 h2.5 r90
  text "T2" at 80.771,150.876 h1.52
  text "T2" at 94.107,149.987 h1.52 r270
  text "T3" at 80.771,137.16 h1.52
  text "PWM" at 93.471,132.207 h1.52
  text "T3" at 94.615,127.635 h1.52 r270
  text "T4" at 80.898,122.809 h1.52
  text "T4" at 94.615,121.412 h1.52 r270
  text "-" at 54.499,111.319 h1.52
  text "PWM" at 92.582,110.617 h1.52
  text "T5" at 80.263,108.712 h1.52
  text "T5" at 94.615,103.759 h1.52 r270
  text "CM FIX" at 10.284,96.266 h1.52
  text "M1" at 78.358,94.488 h1.52
  text "PWM" at 91.693,89.789 h1.52
  text "M1" at 93.091,85.725 h1.52 r270
  text "M2" at 79.247,80.772 h1.52
  text "M2" at 93.091,80.01 h1.52 r270
  text "M3" at 79.501,66.04 h1.52
  text "PWM" at 91.82,60.706 h1.52
  text "M3" at 92.964,55.88 h1.52 r270
  text "M4" at 79.501,52.451 h1.52
  text "M4" at 93.091,50.292 h1.52 r270
  text "PWM" at 91.058,38.735 h1.52
  text "M5" at 79.501,37.592 h1.52
  text "M5" at 93.091,32.766 h1.52 r270
  text "TTL" at 90.804,23.622 h1.52
  text "TTL" at 94.107,17.018 h1.52 r270
  text "VNA" at 9.905,8.509 h1.52
  text "AMPLI" at 41.529,3.302 h1.52 r270
  text "GND" at 60.07,2.413 h1.52

## Text inside footprints (layer, text, board x,y; h text height)
SLR3: Mechanical 1 "TTL" at 82.422,22.606 h1.52